# Altium PCB PMSM_Motor_Controller_v2_PCB.PcbDoc (part 3 of 3)
Units mm, origin at the board's own origin, x right, y up, seen from the top; angles counter-clockwise.
Board outline 70 x 110 mm, 4 copper layers (Top Layer, Int1 (GND), Int2 (PWR), Bottom Layer), stack 1.586 mm thick; 291 components, 217 nets, 968 pads, 697 vias.
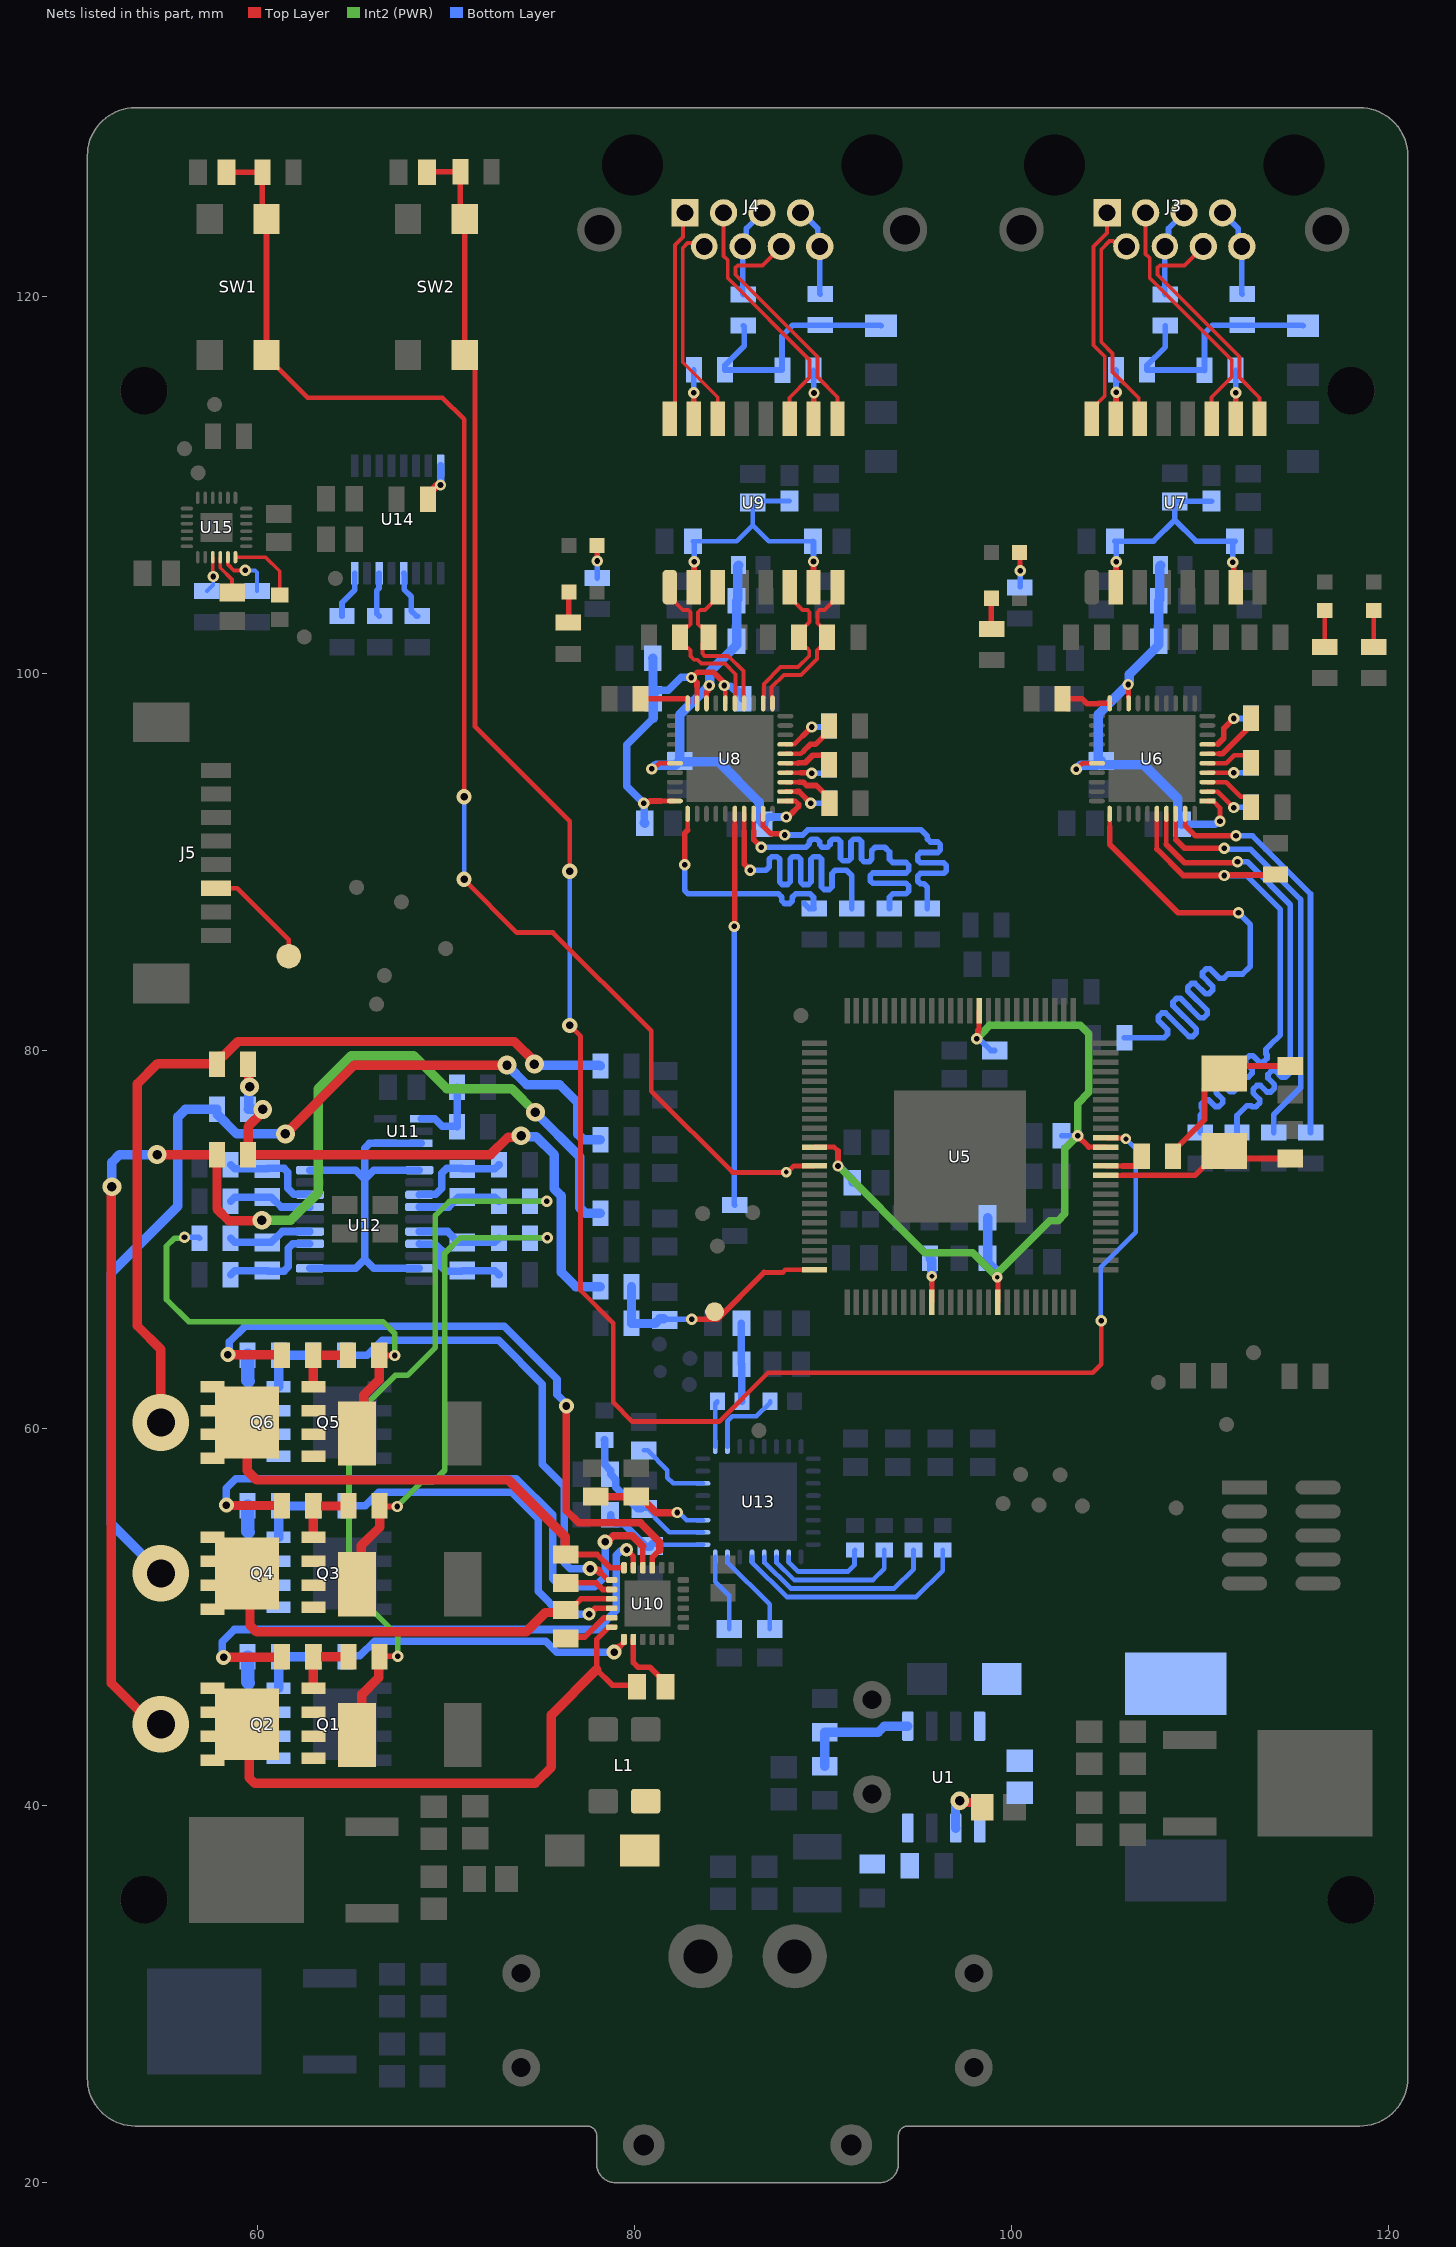
[diagram p5: the nets of this part, all layers, seen from the top]

## Via types
v1: diameter 0.8, hole 0.4, Top Layer to Bottom Layer, tented both sides, 322 vias
v2: diameter 0.6, hole 0.3, Top Layer to Bottom Layer, tented both sides, 210 vias
v3: diameter 1, hole 0.5, Top Layer to Bottom Layer, tented both sides, 108 vias
v4: diameter 0.55, hole 0.25, Top Layer to Bottom Layer, tented both sides, 23 vias
v5: diameter 0.5, hole 0.2, Top Layer to Bottom Layer, 20 vias
v6: diameter 0.7, hole 0.35, Top Layer to Bottom Layer, tented both sides, 10 vias
v7: diameter 3, hole 1.5, Top Layer to Bottom Layer, 3 vias
v8: diameter 0.55, hole 0.3, Top Layer to Bottom Layer, tented both sides, 1 vias

## Nets (pads, with @x,y where several pads share a name; then routed paths per layer and width w, separated by ;. In a path a pad name is that pad's centre, name@x,y a point inside that pad or via, vN(x,y) a via of type N, cw(c..) or ccw(c..) an arc to the next point about the centre after c; other vN are vias at no path point) (continued)
N_P: C78.2 R78.1 R79.1 TP10.1 U5.25 | length 12.8
  Top Layer w0.25: 86.875,68.25 87.862,68.25 88.012,68.4 U5.25@89.55,68.4
  Top Layer w0.3: v2(83.05,65.775) 84.4,65.775 86.875,68.25
  Bottom Layer w0.3: C78.2@81.6,65.725 81.65,65.775 v2@83,65.775
  Bottom Layer w0.5: R78.1@79.85,67.5 R79.1@79.85,65.55 81.1,65.55 81.35,65.8 C78.2@81.55,65.8
NetC5_1: C5.1 D2.2 L2.1 U1.8
NetC5_2: C5.2 U1.1
NetC6_2: C6.2 U1.2 | length 2.9
  Top Layer w0.5: v3(97.25,40.25) 97.346,40.154 98.196,40.154 C6.2@98.45,39.9
  Bottom Layer w0.5: U1.2@97.035,38.8 97.025,38.81 97.025,39.9 97.25,40.125 v3(97.25,40.25)
NetC34_2: C34.2 U5.61 X1.2 | length 10.5
  Top Layer w0.25: U5.61@105,73.4 105.85,73.4
  Top Layer w0.3: 105.85,73.4 109.725,73.4 111.025,74.7 X1.2@111.275,74.7 111.675,74.3 C34.2@114.775,74.3
NetC35_2: C35.2 R6.2 X1.1 | length 9.3
  Top Layer w0.3: R6.2@108.55,74.425 108.55,74.675 110.225,76.35 110.225,78 111.025,78.8 X1.1@111.275,78.8 111.675,79.2 C35.2@114.775,79.2
NetC39_1: C39.1 C40.2 C41.2 C42.2 R13.1 U6.1 U6.18 U6.26 | length 25.3
  Top Layer w0.25: v2(103.425,94.925) 103.75,95.25 U6.26@104.522,95.25 ; v2(106.175,99.425) 106.196,99.404 U6.18@106.196,98.731 ; U6.1@110.378,93.25 110.677,93.25 111.05,92.877 v2(111.05,92.175)
  Bottom Layer w0.3: v2@110.955,92.175 v2(111.05,92.175)
  Bottom Layer w0.4: C41.2@109.025,92.025 110.805,92.025 v2@110.955,92.175
  Bottom Layer w0.5: v2(103.425,94.925) 103.452,94.925 103.677,95.15 104.525,95.15 C42.2@104.75,95.375 ; R13.1@107.9,105.75 107.85,105.7 107.85,103.925 C39.1@107.8,103.875 C40.2@107.8,101.725 107.8,101.525 106.232,99.957 106.232,99.482 v2(106.175,99.425) 104.6,97.85 104.6,95.325 104.75,95.175 104.764,95.161 107.014,95.161 108.8,93.375 108.8,92.25 C41.2@109.025,92.025
NetC49_1: C49.1 C50.1 C51.1 FB2.2 U7.2 U7.7 | length 15.3
  Top Layer w0.3: U7.2@105.525,104.586 105.537,104.598 105.537,105.912 v2(105.55,105.925) ; v2(111.725,105.9) 111.782,105.843 111.782,104.679 U7.7@111.875,104.586
  Bottom Layer w0.3: v2(105.55,105.925) 105.55,106.95 C49.1@105.475,107.025 107.525,107.025 108.65,108.15 ; FB2.2@110.6,109.149 108.674,109.149 C51.1@108.65,109.125 108.65,108.15 ; v2(111.725,105.9) 111.725,106.9 C50.1@111.85,107.025 109.775,107.025 108.65,108.15
NetC54_1: C54.1 R31.1 R32.1 R33.1 R34.1 | length 13.2
  Bottom Layer w0.3: R33.1@108.15,118.45 108.15,117.325 107.175,116.35 R32.1@107.175,116.1 110.2,116.1 R31.1@110.225,116.075 110.225,118.05 110.65,118.475 115.425,118.475 C54.1@115.45,118.45
NetC55_1: C55.1 C56.2 C57.2 C58.2 R37.1 U8.1 U8.18 U8.26 | length 25.2
  Top Layer w0.25: v2(80.925,94.95) 81.02,94.95 81.32,95.25 U8.26@82.147,95.25 ; U8.18@83.825,98.428 83.829,98.432 83.829,99.029 83.85,99.05 ; U8.1@88.003,93.25 88.007,93.246 88.554,93.246 88.7,93.1 88.7,93.068
  Top Layer w0.3: 83.85,99.05 83.91,99.11 83.91,99.318 v2(83.967,99.375) ; v2(88.05,92.4) 88.131,92.4 88.281,92.55 88.294,92.55 88.7,92.956 88.7,93.068
  Bottom Layer w0.4: C57.2@86.85,92.025 86.85,92.125 87.125,92.4 v2(88.05,92.4)
  Bottom Layer w0.5: v2(80.925,94.95) 80.952,94.95 81.152,95.15 82.175,95.15 C58.2@82.4,95.375 ; R37.1@85.525,105.75 85.475,105.7 85.475,103.925 C55.1@85.425,103.875 C56.2@85.425,101.725 85.425,101.525 83.986,100.086 83.986,99.394 v2(83.967,99.375) 82.4,97.808 C58.2@82.4,95.375 ; C57.2@86.85,92.025 86.625,92.25 86.625,93.175 84.464,95.336 82.439,95.336 C58.2@82.4,95.375
NetC65_1: C65.1 C66.1 C67.1 FB3.2 U9.2 U9.7 | length 15.2
  Top Layer w0.3: U9.2@83.15,104.586 83.163,104.598 83.163,105.913 v2(83.175,105.925) ; U9.7@89.5,104.586 v2(89.5,105.95)
  Bottom Layer w0.25: C65.1@83.175,106.95 C65.1@83.1,107.025 85.425,107.025 86.275,107.875 ; FB3.2@88.225,109.149 86.349,109.149 C67.1@86.275,109.075 86.275,107.875 ; C66.1@89.475,107.025 87.125,107.025 86.275,107.875
  Bottom Layer w0.3: v2(83.175,105.925) C65.1@83.175,106.95 ; C66.1@89.475,107.025 89.5,107 89.5,106.9 v2(89.5,105.95)
NetC70_1: C70.1 R54.1 R55.1 R56.1 R57.1 | length 13.1
  Bottom Layer w0.3: R56.1@85.775,118.45 85.825,118.4 85.825,117.375 84.8,116.35 R55.1@84.8,116.1 87.825,116.1 87.825,117.9 88.4,118.475 R57.1@89.85,118.475 93.05,118.475 C70.1@93.075,118.45
NetC72_1: C72.1 U10.20 | length 3.6
  Top Layer w0.3: U10.20@79.95,48.8 79.95,47.576 80.201,47.325 80.825,47.325 81.65,46.5 C72.1@81.65,46.3
NetC73_1: C73.1 U10.17 | length 2.9
  Top Layer w0.3: C73.1@76.375,48.85 76.449,48.924 77.373,48.924 78.399,49.95 U10.17@78.8,49.95
NetC74_1: C74.1 U10.14 | length 2.6
  Top Layer w0.3: C74.1@76.375,51.8 77.975,51.8 78.325,51.45 U10.14@78.8,51.45
NetC82_1: C82.1 R89.2 U12.14 | length 5.5
  Bottom Layer w0.4: R89.2@58.6,68.125 58.825,68.35 C82.1@60.55,68.35 60.575,68.325 61.425,68.325 61.65,68.55 61.65,69.075 61.65,69.541 61.884,69.775 U12.14@62.8,69.775
NetC82_2: C82.2 R88.2 U12.15 | length 4.5
  Bottom Layer w0.4: R88.2@58.6,70.075 58.825,69.85 C82.2@60.55,69.85 60.75,69.85 61.325,70.425 U12.15@62.8,70.425
NetC83_1: C83.1 R91.2 U12.7 | length 5.4
  Bottom Layer w0.4: U12.7@68.6,69.775 68.625,69.75 69.45,69.75 69.775,69.425 69.775,68.559 70.009,68.325 70.85,68.325 C83.1@70.875,68.35 72.6,68.35 R91.2@72.825,68.125
NetC83_2: C83.2 R90.2 U12.6 | length 4.6
  Bottom Layer w0.4: U12.6@68.6,70.425 70.1,70.425 70.675,69.85 C83.2@70.875,69.85 72.6,69.85 R90.2@72.825,70.075
NetC84_1: C84.1 R93.2 U12.3 | length 5.4
  Bottom Layer w0.4: U12.3@68.6,72.375 68.625,72.4 69.475,72.4 69.8,72.725 69.8,73.525 70.05,73.775 70.85,73.775 C84.1@70.875,73.75 72.6,73.75 R93.2@72.825,73.975
NetC84_2: C84.2 R92.2 U12.4 | length 4.5
  Bottom Layer w0.4: U12.4@68.6,71.725 70.15,71.725 70.675,72.25 C84.2@70.875,72.25 72.6,72.25 R92.2@72.825,72.025
NetC85_1: C85.1 R95.2 U12.18 | length 5.4
  Bottom Layer w0.4: R95.2@58.6,73.975 58.825,73.75 C85.1@60.55,73.75 60.575,73.775 61.425,73.775 61.625,73.575 61.625,72.725 61.95,72.4 62.775,72.4 U12.18@62.8,72.375
NetC85_2: C85.2 R94.2 U12.17 | length 4.5
  Bottom Layer w0.4: R94.2@58.6,72.025 58.825,72.25 C85.2@60.55,72.25 60.75,72.25 61.275,71.725 U12.17@62.8,71.725
NetC86_1: C86.1 U13.23 | length 4.8
  Bottom Layer w0.25: U13.23@84.935,53.175 84.935,52.9 87.175,50.66 C86.1@87.175,49.35
NetC87_1: C87.1 U13.24 | length 4.1
  Bottom Layer w0.25: U13.24@84.285,53.175 84.285,51.865 85.025,51.125 C87.1@85.025,49.35
NetC88_1: C88.1 C89.1 FB4.2 U13.26 | length 8.3
  Bottom Layer w0.25: C89.1@80.525,55.725 80.725,55.725 81.075,55.375 81.075,55.26 81.86,54.475 U13.26@83.635,54.475
  Bottom Layer w0.4: FB4.2@78.413,59.387 FB4.2@78.425,59.375 78.425,58.075 78.75,57.75 78.75,57.55 79.025,57.275 79.025,56.859 79.583,56.301 79.599,56.301 80.175,55.725 C89.1@80.375,55.725
NetC90_1: C90.1 C91.1 U13.27 | length 6.2
  Top Layer w0.4: C90.1@77.95,56.375 80.3,56.375 81.15,55.525 v2(82.275,55.525)
  Bottom Layer w0.25: v2(82.275,55.525) 82.37,55.525 82.77,55.125 U13.27@83.635,55.125
NetC92_1: C92.1 C93.1 U13.25 | length 5.9
  Bottom Layer w0.25: C93.1@80.85,53.75 80.925,53.825 U13.25@83.635,53.825
  Bottom Layer w0.4: C92.1@78.75,55.4 78.75,55.2 79.025,54.925 79.425,54.925 80.65,53.7 C93.1@80.85,53.7 ; C93.1@80.85,53.775 C93.1@80.975,53.9
NetC94_1: C94.1 U13.30 | length 4.1
  Bottom Layer w0.25: C94.1@80.5,58.825 80.7,58.825 81.75,57.775 81.75,57.375 82.05,57.075 U13.30@83.635,57.075
NetC97_1: C97.1 C98.1 R102.2 | length 4.1
  Bottom Layer w0.4: C97.1@85.675,65.55 C98.1@85.675,63.4 85.687,63.388 85.687,61.437 R102.2@85.7,61.425
NetC107_2: C107.2 U15.10 | length 2.1
  Top Layer w0.2: U15.10@58.05,106.175 58.05,105.619 58.675,104.994 C107.2@58.675,104.3
NetD1_2: D1.2 L1.1
NetD3_2: D3.2 R11.2 | length 1.9
  Top Layer w0.25: R11.2@116.6,101.425 D3.2@116.6,103.35
NetD4_2: D4.2 R12.2 | length 1.9
  Top Layer w0.25: R12.2@119.2,101.425 D4.2@119.2,103.35
NetD5_1: D5.1 R35.2 | length 1.6
  Top Layer w0.3: D5.1@98.925,104 98.925,102.4 R35.2@98.95,102.375
NetD6_2: D6.2 R36.2 | length 1.9
  Top Layer w0.25: D6.2@100.425,106.425 100.45,106.4 v2(100.45,105.45)
  Bottom Layer w0.25: R36.2@100.425,104.575 R36.2@100.45,104.6
  Bottom Layer w0.3: R36.2@100.45,104.6 v2(100.45,105.45)
NetD7_1: D7.1 R58.2 | length 1.6
  Top Layer w0.3: R58.2@76.5,102.7 76.525,102.725 D7.1@76.525,104.325
NetD8_2: D8.2 R59.2 | length 1.7
  Top Layer w0.3: v2(78.025,105.975) D8.2@78.025,106.8
  Bottom Layer w0.3: R59.2@78.025,105.075 v2(78.025,105.975)
NetJ3_4: J3.4 J3.5 R33.2 | length 4.8
  Bottom Layer w0.3: R33.2@108.15,120.1 108.125,120.125 J3.4@108.125,122.65 108.316,122.841 108.316,123.601 J3.5@109.145,124.43
NetJ3_7: J3.7 J3.8 R34.2 | length 4.7
  Bottom Layer w0.3: J3.7@111.185,124.43 112.014,123.601 112.014,122.841 J3.8@112.205,122.65 112.205,120.145 R34.2@112.225,120.125
NetJ4_4: J4.4 J4.5 R56.2 | length 4.8
  Bottom Layer w0.3: R56.2@85.775,120.1 85.75,120.125 J4.4@85.75,122.65 85.941,122.841 85.941,123.601 J4.5@86.77,124.43
NetJ4_7: J4.7 J4.8 R57.2 | length 4.8
  Bottom Layer w0.3: J4.7@88.81,124.43 88.9,124.43 89.725,123.604 89.725,122.755 J4.8@89.81,122.67 ; J4.8@89.83,122.65 89.83,120.145 R57.2@89.85,120.125
NetJ5_6: J5.6 TP_HALL.1 | length 5.9
  Top Layer w0.25: J5.6@57.825,88.625 58.95,88.625 61.671,85.904 61.671,85.029 TP_HALL.1@61.675,85.025
NetQ1_G: Q1.G R60.1 R62.2 | length 3.5
  Bottom Layer w0.5: Q1.G@61.14,46.205 61.145,46.21 61.145,47.87 R62.2@61.15,47.875 R60.1@63.025,47.875
NetQ2_G: Q2.G R61.1 R82.1 | length 3.5
  Top Layer w0.5: Q2.G@62.98,46.205 62.977,46.208 62.977,47.873 R61.1@62.975,47.875 R82.1@64.85,47.875
NetQ2_S: Q2.S R82.2 R85.2 R92.1 | length 39.4
  Top Layer w0.3: R82.2@66.5,47.875 66.525,47.9 v2(67.45,47.9)
  Top Layer w0.5: R85.2@65.3,43.725 65.553,43.978 65.553,45.882 66.443,46.772 66.443,47.818 R82.2@66.5,47.875
  Int2 (PWR) w0.3: v2(67.45,47.9) 67.45,49 64.875,51.575 64.875,60.35 67.325,62.8 67.969,62.8 69.45,64.281 69.45,71.274 70.201,72.025 v2(75.35,72.025)
  Bottom Layer w0.3: R92.1@74.475,72.025 v2(75.35,72.025)
NetQ3_G: Q3.G R63.1 R65.2 | length 3.5
  Bottom Layer w0.5: Q3.G@61.14,54.205 61.145,54.21 61.145,55.87 R65.2@61.15,55.875 R63.1@63.025,55.875
NetQ4_G: Q4.G R64.1 R81.1 | length 3.5
  Top Layer w0.5: Q4.G@62.98,54.205 62.977,54.208 62.977,55.873 R64.1@62.975,55.875 R81.1@64.85,55.875
NetQ4_S: Q4.S R81.2 R84.2 R90.1 | length 27.1
  Top Layer w0.3: R81.2@66.5,55.875 66.525,55.85 v2(67.425,55.85)
  Top Layer w0.5: R84.2@65.3,51.725 65.525,51.95 65.525,53.775 66.5,54.75 R81.2@66.5,55.875
  Int2 (PWR) w0.3: v2(67.425,55.85) 68.75,57.175 69.355,57.175 69.95,57.77 69.95,69.275 70.775,70.1 v2(75.375,70.1)
  Bottom Layer w0.3: R90.1@74.475,70.075 74.5,70.1 v2(75.375,70.1)
NetQ5_G: Q5.G R66.1 R68.2 | length 3.5
  Bottom Layer w0.5: Q5.G@61.14,62.205 61.145,62.21 61.145,63.87 R68.2@61.15,63.875 R66.1@63,63.875
NetQ6_G: Q6.G R67.1 R80.1 | length 3.5
  Top Layer w0.5: Q6.G@62.98,62.205 62.977,62.208 62.977,63.873 R67.1@62.975,63.875 R80.1@64.825,63.875
NetQ6_S: Q6.S R80.2 R83.2 R88.1 | length 24.3
  Top Layer w0.3: R80.2@66.475,63.875 66.5,63.85 v2(67.3,63.85)
  Top Layer w0.5: R83.2@65.3,59.725 65.65,60.075 65.65,61.75 66.475,62.575 R80.2@66.475,63.875
  Int2 (PWR) w0.3: v2(56.15,70.125) 56.093,70.068 55.618,70.068 55.2,69.65 55.2,66.825 56.376,65.649 56.549,65.649 ; 56.55,65.65 66.675,65.65 67.3,65.025 v2(67.3,63.85)
  Bottom Layer w0.3: v2(56.15,70.125) 56.9,70.125 R88.1@56.95,70.075
NetR1_1: R1.1 R2.2 U1.5 | length 6.3
  Bottom Layer w0.5: R1.1@90.1,42.075 R2.2@90.1,43.875 92.926,43.875 93.251,44.2 U1.5@94.495,44.2
NetR3_1: R3.1 R4.2 U1.4
NetR5_2: R5.2 U5.35 | length 2.4
  Top Layer w0.25: U5.35@95.775,66.675 95.775,67.6
  Top Layer w0.3: 95.775,67.6 v4(95.775,68.05)
  Bottom Layer w0.5: R5.2@95.675,69 95.765,68.91 95.765,68.06 v4(95.775,68.05)
NetR6_1: R6.1 U5.62 | length 2.3
  Top Layer w0.25: U5.62@105,73.9 105.875,73.9
  Top Layer w0.3: 105.875,73.9 106.625,73.9 106.9,74.175 R6.1@106.9,74.45
NetR14_2: R14.2 U6.20 | length 2.6
  Top Layer w0.3: R14.2@102.7,98.675 103.725,98.675 103.996,98.404 104.584,98.404 104.609,98.428 U6.20@105.2,98.428
NetR15_2: R15.2 U6.2 | length 2.7
  Top Layer w0.25: U6.2@110.378,93.75 110.382,93.746 110.929,93.746 v2(111.775,92.9)
  Bottom Layer w0.3: v2(111.775,92.9) 111.8,92.925 R15.2@112.7,92.925
NetR16_2: R16.2 U6.3 | length 3
  Top Layer w0.25: U6.3@110.378,94.25 111.375,94.25 112.15,93.475 112.4,93.475 112.7,93.175 R16.2@112.7,92.925
NetR17_2: R17.2 U6.4 | length 2.7
  Top Layer w0.25: U6.4@110.378,94.75 v2(111.775,94.75)
  Bottom Layer w0.3: v2(111.775,94.75) 112.425,94.75 112.7,95.025 R17.2@112.7,95.275
NetR18_2: R18.2 U6.5 | length 2.7
  Top Layer w0.25: U6.5@110.378,95.25 111.375,95.25 111.8,95.675 112.4,95.675 112.7,95.375 R18.2@112.7,95.275
NetR19_2: R19.2 U6.6 | length 3.3
  Top Layer w0.25: U6.6@110.378,95.75 111,95.75
  Top Layer w0.3: 111,95.75 111.175,95.75 112.425,97 112.425,97.35 R19.2@112.7,97.625
NetR20_2: R20.2 U6.7 | length 3.2
  Top Layer w0.25: U6.7@110.378,96.25 110.382,96.254 110.929,96.254
  Top Layer w0.3: 110.929,96.254 111.25,96.575 111.25,97.1 v2(111.775,97.625)
  Bottom Layer w0.3: v2(111.775,97.625) R20.2@112.7,97.625
NetR21_2: R21.2 U6.31 | length 31.6
  Top Layer w0.25: 105.2,91.9 U6.31@105.2,92.572
  Top Layer w0.3: 105.2,91.9 105.2,90.95 108.825,87.325 v2(112.025,87.325)
  Bottom Layer w0.3: R21.2@105.975,80.7 107.875,80.7 108.087,80.7 108.263,80.876 108.263,81.124 107.773,81.614 107.773,81.81 107.969,82.006 108.165,82.006 109.406,80.765 109.602,80.765 109.798,80.961 109.798,81.157 108.557,82.398 108.557,82.593 108.752,82.789 108.948,82.789 109.985,81.752 110.181,81.752 110.377,81.948 110.377,82.144 109.34,83.181 109.34,83.377 109.536,83.573 109.732,83.573 110.276,83.029 110.472,83.029 110.668,83.225 110.668,83.42 110.124,83.964 110.124,84.16 110.319,84.356 110.515,84.356 111.011,83.86 111.26,83.86 111.475,84.075 112.25,84.075 112.65,84.475 112.65,86.7 v2(112.025,87.325)
NetR22_2: R22.2 U6.39 | length 21.4
  Top Layer w0.25: 109.2,91.95 U6.39@109.2,92.572
  Top Layer w0.3: 109.2,91.95 109.75,91.4 v2(111.9,91.4)
  Bottom Layer w0.3: v2(111.9,91.4) 112.775,91.4 115.85,88.325 R22.2@115.85,75.675
NetR23_2: R23.2 U6.38 | length 22.3
  Top Layer w0.25: 108.7,91.2 U6.38@108.7,92.572
  Top Layer w0.3: 108.7,91.2 109.15,90.75 v2(111.275,90.75)
  Bottom Layer w0.3: v2(111.275,90.75) 111.332,90.693 112.657,90.693 115.325,88.025 115.325,78.05 113.9,76.625 R23.2@113.9,75.675
NetR24_2: R24.2 U6.37 | length 25.6
  Top Layer w0.25: 108.2,90.95 U6.37@108.2,92.572
  Top Layer w0.3: 108.2,90.95 109.182,89.968 111.918,89.968 v2(111.975,90.025)
  Bottom Layer w0.3: R24.2@111.95,75.675 111.95,76.575 112.236,76.861 112.462,77.087 112.71,77.087 112.757,77.04 112.953,77.04 113.149,77.235 113.149,77.431 112.806,77.774 112.806,77.97 113.002,78.166 113.198,78.166 113.541,77.823 113.737,77.823 113.933,78.019 113.933,78.215 113.59,78.558 113.59,78.754 113.786,78.949 113.981,78.949 114.324,78.606 114.52,78.606 114.716,78.802 114.716,78.998 114.669,79.045 114.669,79.294 114.775,79.4 114.775,87.75 112.5,90.025 v2(111.975,90.025)
NetR25_2: R25.2 R26.2 U6.36 | length 30.7
  Top Layer w0.25: 107.7,90.7 U6.36@107.7,92.572
  Top Layer w0.3: 107.7,90.7 109.1,89.3 v2(111.275,89.3) 111.304,89.329 113.962,89.329 R26.2@113.991,89.359
  Bottom Layer w0.3: R25.2@110,75.675 110,76.6 110.106,76.706 110.106,76.955 110.059,77.002 110.059,77.198 110.255,77.394 110.451,77.394 110.794,77.051 110.989,77.051 111.185,77.246 111.185,77.442 110.842,77.785 110.842,77.981 111.038,78.177 111.234,78.177 111.577,77.834 111.773,77.834 111.969,78.03 111.969,78.226 111.626,78.569 111.626,78.765 111.822,78.96 112.018,78.96 112.36,78.618 112.556,78.618 112.752,78.813 112.752,79.009 112.409,79.352 112.409,79.548 112.605,79.744 112.801,79.744 113.144,79.401 113.34,79.401 113.536,79.597 113.536,79.793 113.488,79.84 113.488,80.088 113.679,80.279 114.25,80.85 114.25,87.5 112.45,89.3 v2(111.275,89.3)
NetR31_2: R31.2 U7.10 | length 2.6
  Top Layer w0.3: U7.10@111.875,113.514 v2(111.875,114.9)
  Bottom Layer w0.3: v2(111.875,114.9) R31.2@111.875,116.075
NetR32_2: R32.2 U7.15 | length 2.6
  Top Layer w0.3: U7.15@105.525,113.514 105.534,113.523 105.534,114.916 v2(105.542,114.925) v2@105.542,114.942
  Bottom Layer w0.3: R32.2@105.525,116.1 105.534,116.091 105.534,114.934 v2(105.542,114.925)
NetR38_2: R38.2 U8.20 | length 2.7
  Top Layer w0.3: R38.2@80.325,98.675 82.796,98.675 82.825,98.646 U8.20@82.825,98.428
NetR39_2: R39.2 U8.2 | length 2.6
  Top Layer w0.25: U8.2@88.003,93.75 88.625,93.75
  Top Layer w0.3: 88.625,93.75 88.725,93.75 v2(89.35,93.125)
  Bottom Layer w0.3: v2(89.35,93.125) R39.2@90.35,93.125
NetR40_2: R40.2 U8.3 | length 3
  Top Layer w0.25: U8.3@88.003,94.25 88.725,94.25
  Top Layer w0.3: 88.725,94.25 88.954,94.25 89.131,94.073 89.652,94.073 90.075,93.65 90.075,93.4 R40.2@90.35,93.125
NetR41_2: R41.2 U8.4 | length 2.6
  Top Layer w0.25: U8.4@88.003,94.75 88.825,94.75
  Top Layer w0.3: 88.825,94.75 89.373,94.75 v2(89.4,94.723)
  Bottom Layer w0.3: v2(89.4,94.723) 90.05,94.723 90.325,94.998 R41.2@90.325,95.175
NetR42_2: R42.2 U8.5 | length 2.8
  Top Layer w0.25: U8.5@88.003,95.25 88.675,95.25
  Top Layer w0.3: 88.675,95.25 88.7,95.275 89.057,95.275 89.457,95.675 90.05,95.675 90.325,95.4 R42.2@90.325,95.175
NetR43_2: R43.2 U8.6 | length 3.1
  Top Layer w0.25: U8.6@88.003,95.75 88.825,95.75 88.975,95.9
  Top Layer w0.3: 88.975,95.9 89.325,96.25 89.6,96.25 90.325,96.975 R43.2@90.325,97.225
NetR44_2: R44.2 U8.7 | length 2.8
  Top Layer w0.25: U8.7@88.003,96.25 88.475,96.25 88.925,96.7
  Top Layer w0.3: 88.925,96.7 v2(89.4,97.175)
  Bottom Layer w0.25: v2(89.4,97.175) 89.425,97.2 v2@89.45,97.2 ; R44.2@90.275,97.175 R44.2@90.325,97.225
  Bottom Layer w0.3: v2(89.4,97.175) R44.2@90.275,97.175
NetR45_2: R45.2 U8.31 | length 13
  Top Layer w0.25: 82.825,91.7 U8.31@82.825,92.572
  Top Layer w0.3: v2(82.675,89.875) 82.675,91.55 82.825,91.7
  Bottom Layer w0.3: v2(82.675,89.875) 82.675,88.501 82.851,88.325 87.05,88.325 87.645,88.325 87.82,88.149 87.82,87.956 87.959,87.817 88.236,87.817 88.374,87.956 88.374,88.149 88.55,88.325 88.7,88.325 89.325,88.325 89.5,88.15 89.5,87.575 R45.2@89.525,87.55 89.275,87.55 R45.2@89,87.825